# Altium PCB Industrial-Controller.PcbDoc (part 1 of 2)
Units mm, origin at the board's own origin, x right, y up, seen from the top; angles counter-clockwise.
Board outline 98 x 81 mm, 4 copper layers (Top Layer, Layer 4 (GND), Layer 5 (PWR), Bottom Layer), stack 1.49 mm thick; 132 components, 83 nets, 380 pads, 159 vias.
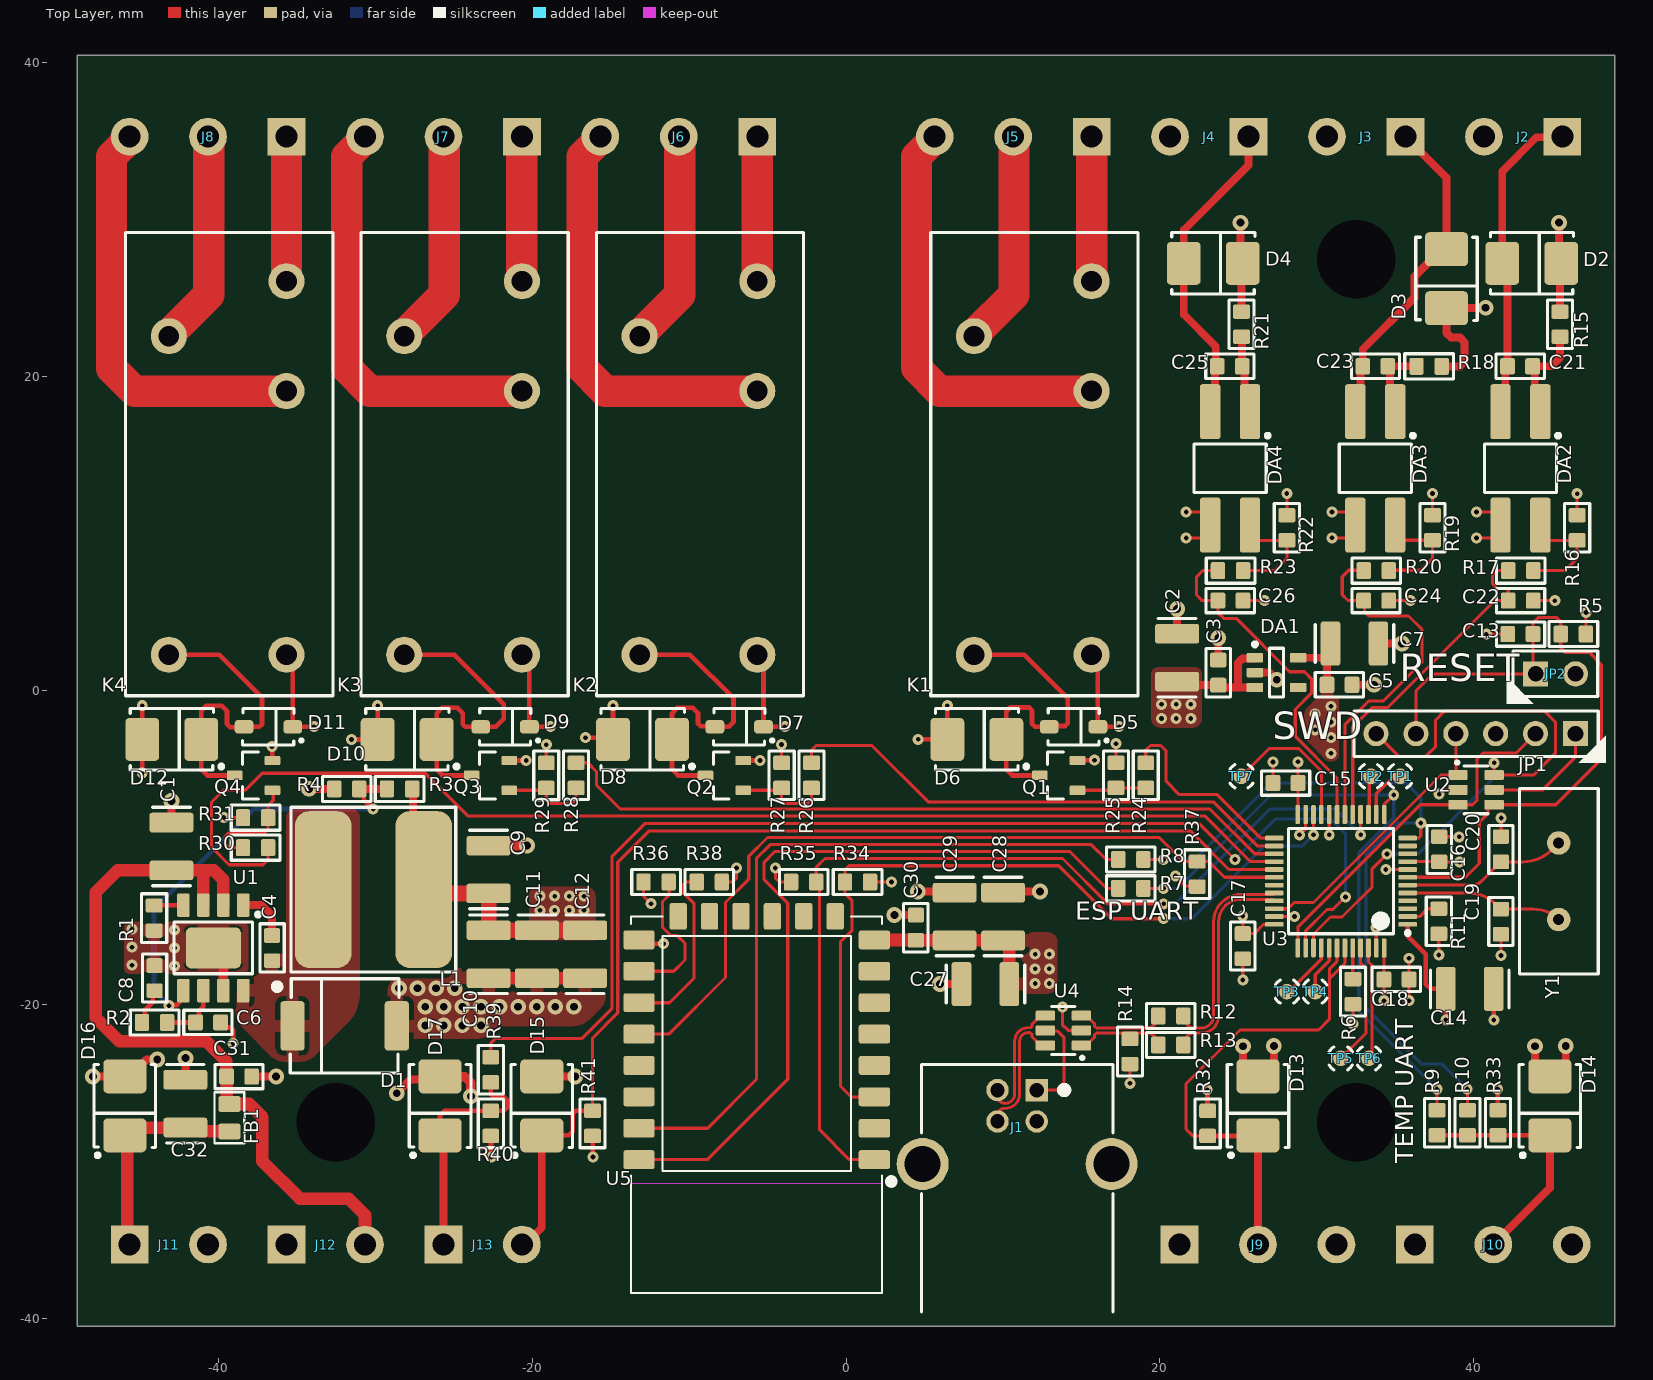
[diagram p0: Top Layer view]
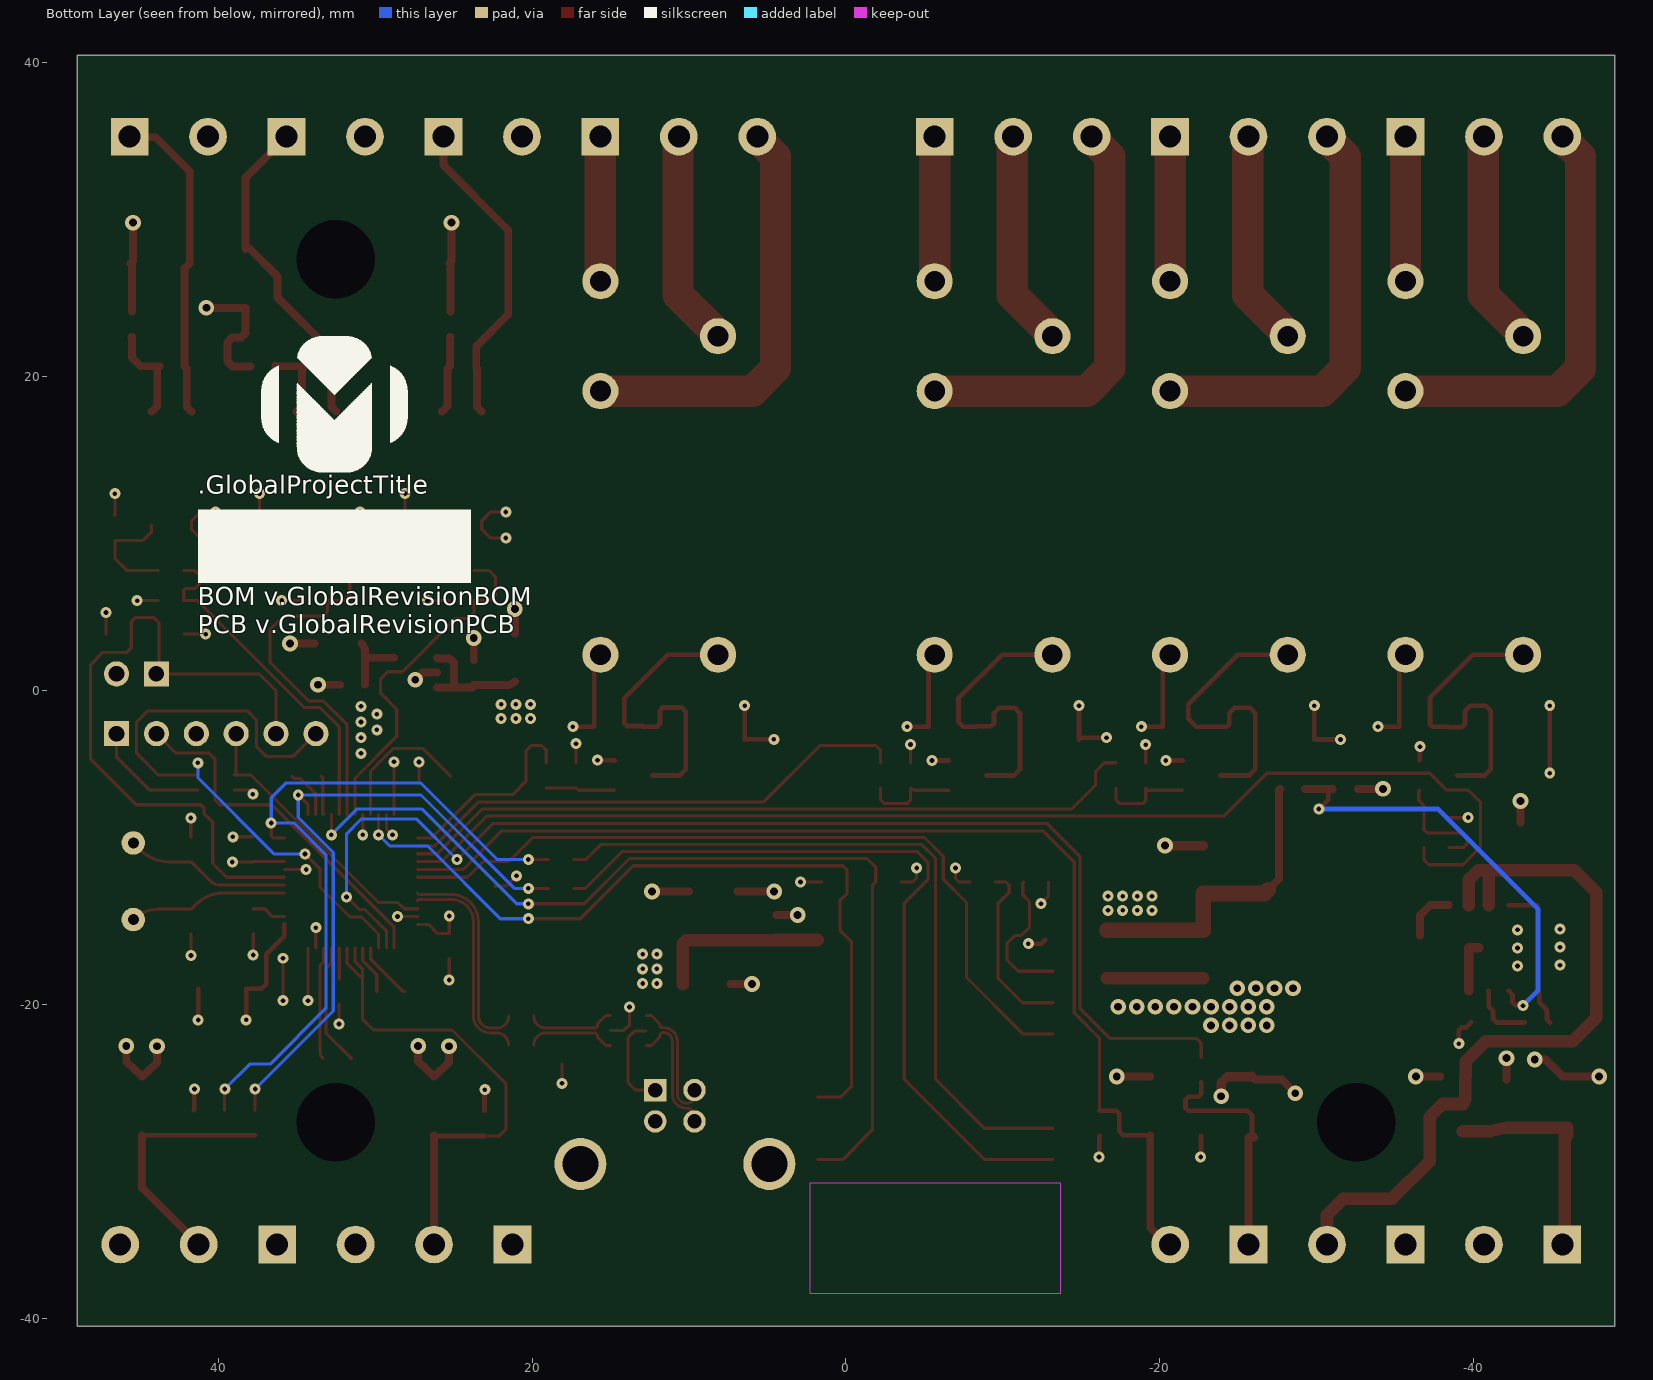
[diagram p1: Bottom Layer view, seen from below]
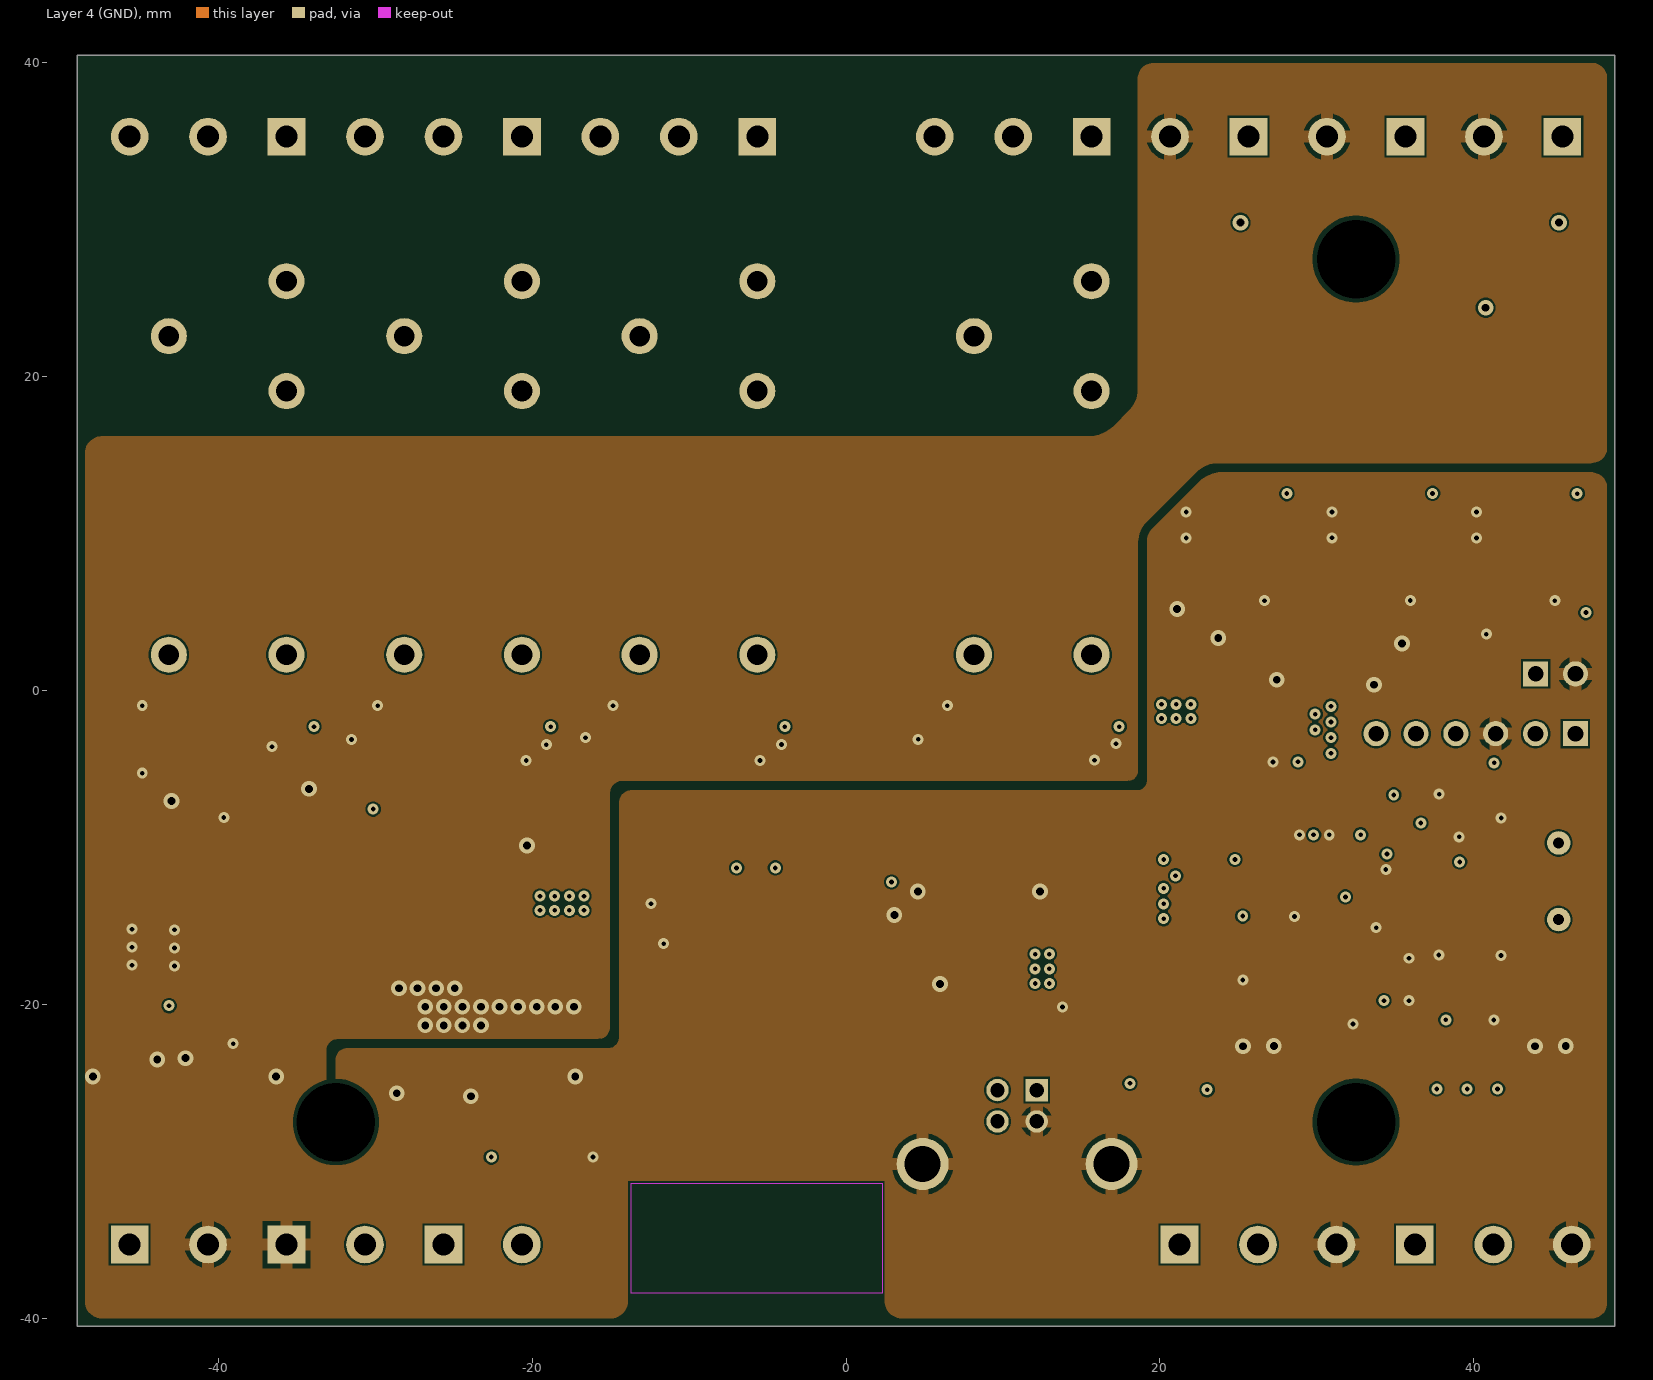
[diagram p2: Layer 4 (GND)]
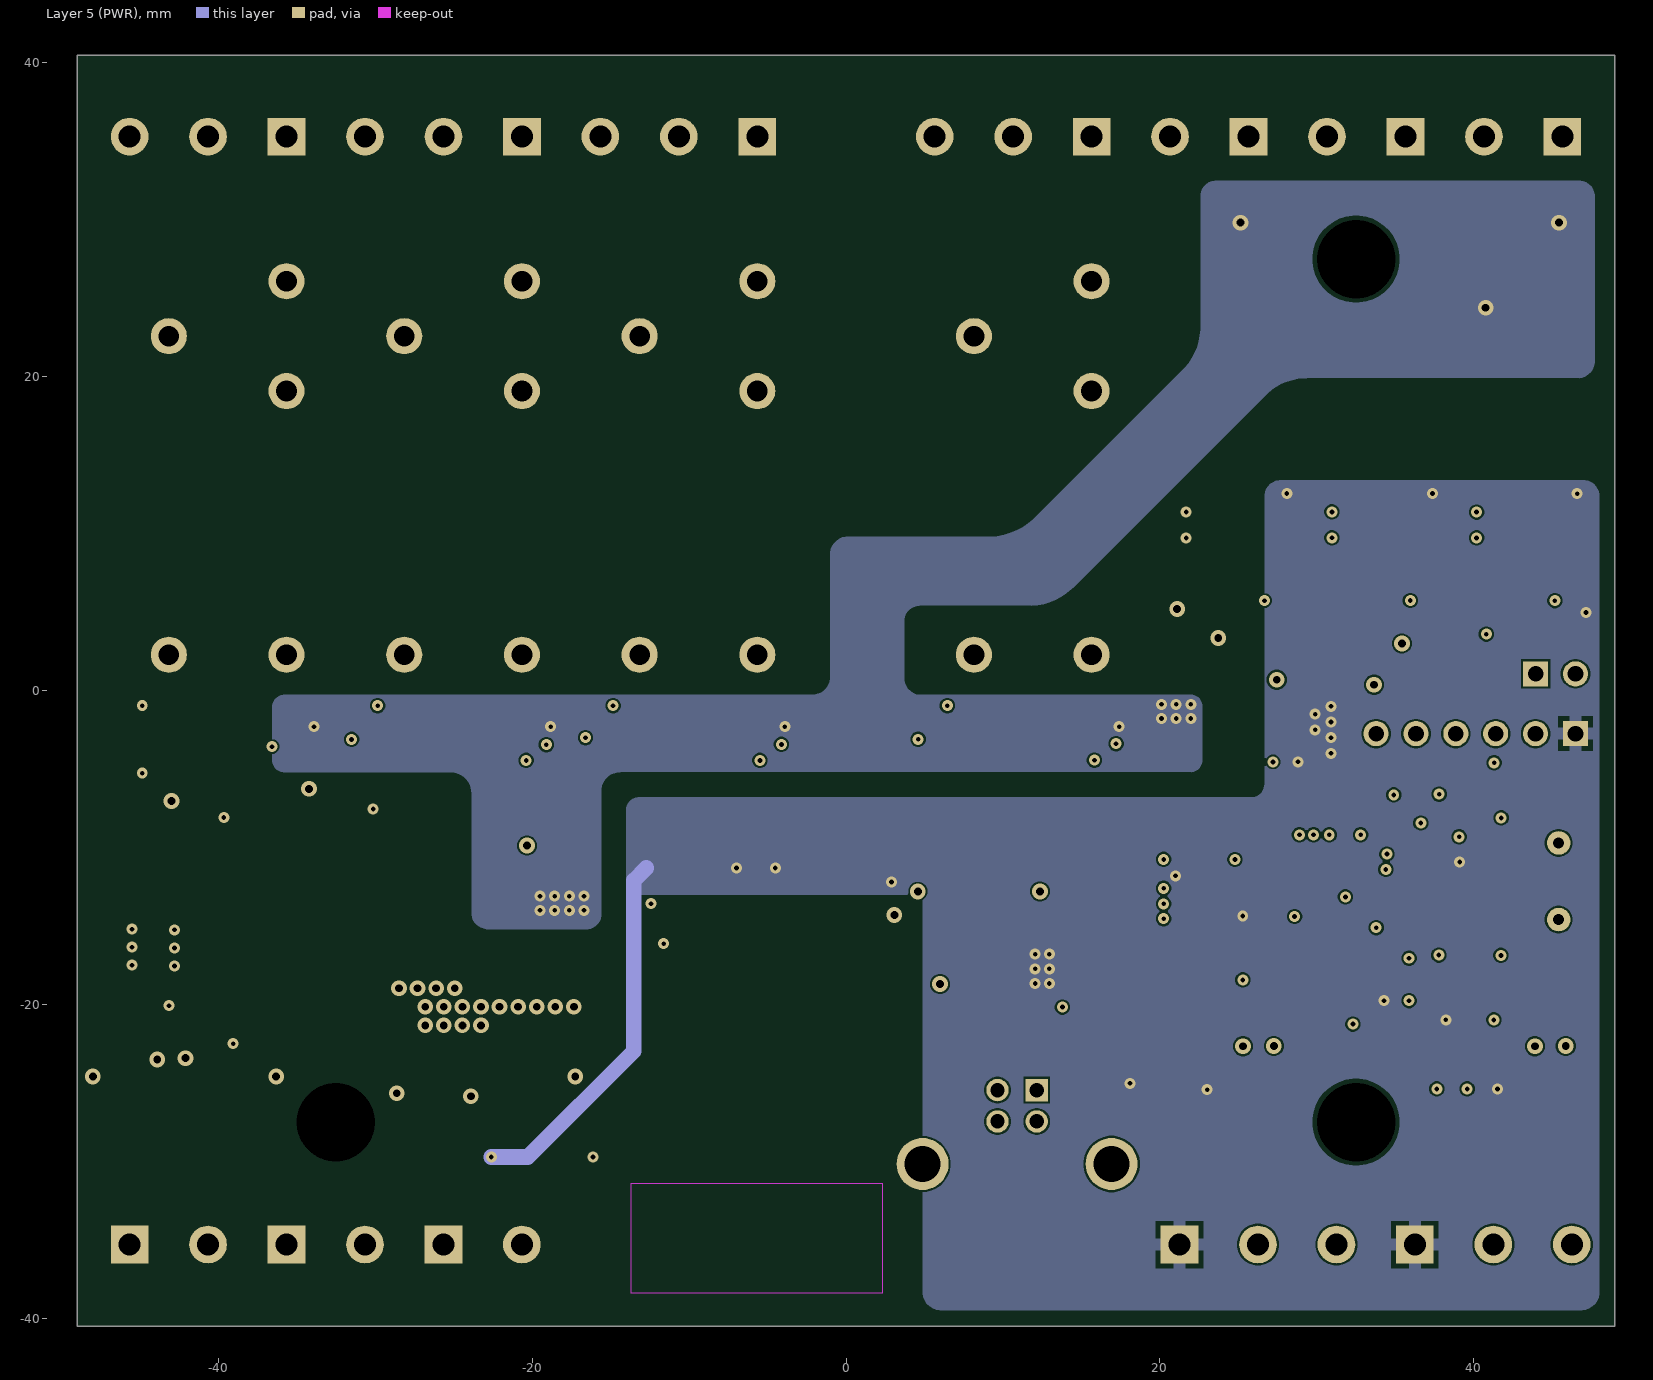
[diagram p3: Layer 5 (PWR)]
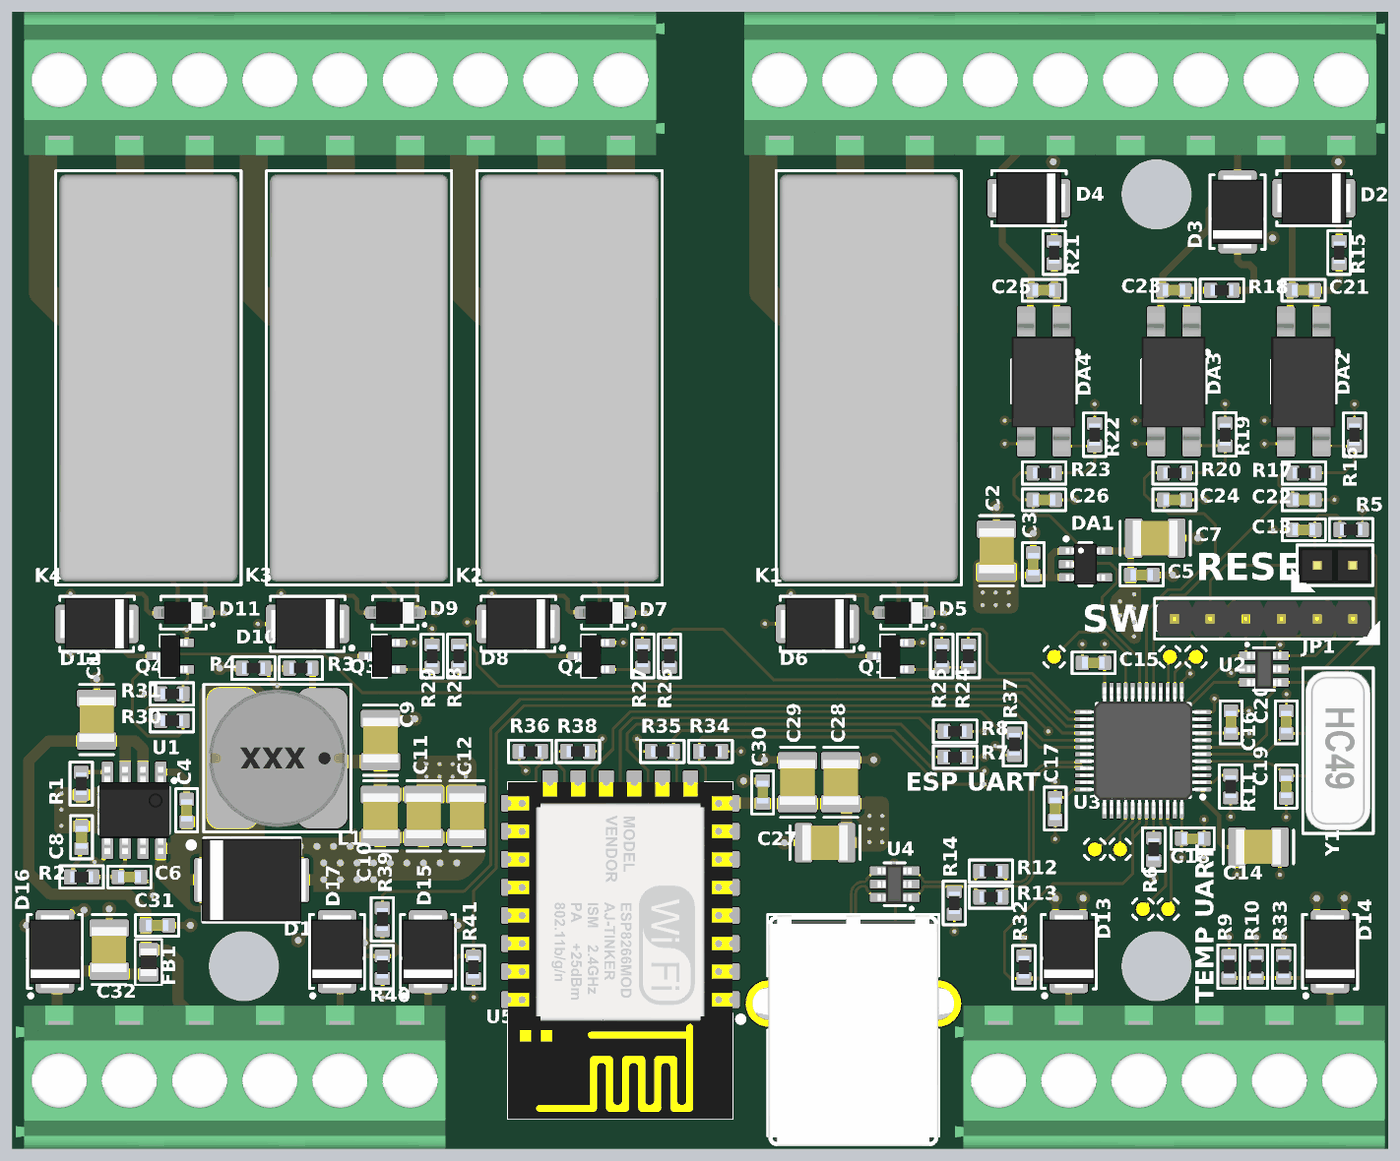
[diagram p5: 3D render of the assembled board from above, using the file's embedded part models]

## Layer stack, top to bottom
Top Solder: solder mask 0.0127, Dk 4
Top Layer: signal copper 0.018
Prepreg 1: prepreg 0.127, Dk 4.2
Layer 4 (GND): signal copper 0.018
Core 2: core 1.164, Dk 4.2
Layer 5 (PWR): signal copper 0.018
Prepreg 4: prepreg 0.127, Dk 4.2
Bottom Layer: signal copper 0.018
Bottom Solder: solder mask 0.0127, Dk 4

## Board outline
-49,-40.5 -49,40.5 49,40.5 49,-40.5

## Design rules (kind name [scope] priority, off if disabled: settings)
BoardOutlineClearance [All] p1: gap=0.508 ignorepadtopadclearanceinfootprint=FALSE
Clearance Clearance_CHASSIS [InNet('CHASSIS')] p1: gap=0.508 ignorepadtopadclearanceinfootprint=FALSE // ETH chassis to other
Clearance Clearance_TP [HasFootprint('TEST_POINT_TH')] p2: gap=0.508 ignorepadtopadclearanceinfootprint=FALSE // Test point for programming
Clearance Clearance_ETH_VDDA [InNamedPolygon('ETH_VDDA') vs InNamedPolygon('SOLID_3V3_LAYER5')] p3: gap=0.127 ignorepadtopadclearanceinfootprint=FALSE except(0.508: Fill-Fill Fill-Poly Fill-Region Poly-Poly Poly-Region Region-Region) // ETH_VDDA clearance to 3V3 polygon
Clearance Clearance_VCC_PLANE [InNamedPolygon('SOLID_3V3_LAYER5')] p4: gap=0.178 ignorepadtopadclearanceinfootprint=FALSE // Clearance between 3V3 VCC plane and vias
Clearance Clearance_Signal_Via [IsLinkedToPadViaTemplate('signal_via')] p5: gap=0.127 ignorepadtopadclearanceinfootprint=FALSE except(0.178: Via-Fill Via-Poly Via-Region) // 50 Ohm via, clearance to GND plane and to other polygons
Clearance Clearance_3W [OnLayer('Layer 3 (SIG)')] p6: gap=0.127 ignorepadtopadclearanceinfootprint=FALSE except(0.254: Arc-Arc Arc-Track Arc-SMDPad Arc-THPad Arc-Via Arc-Fill Arc-Poly Arc-Region Arc-Text Arc-Hole Track-Track Track-SMDPad Track-THPad Track-Via Track-Fill Track-Poly Track-Region Track-Text Track-Hole) // 3W rule for high-speed nets; applicable for 5mil tracks
Clearance [All] p7: gap=0.127 ignorepadtopadclearanceinfootprint=FALSE except(0.26: Arc-Hole Track-Hole SMDPad-Hole THPad-Hole Via-Hole Fill-Hole Poly-Hole Region-Hole Text-Hole) // Track-Track 7 mil for MCU
ComponentClearance ComponentClearance_TERMINALS [HasFootprint('DG128-5.0-03P-14') or HasFootprint('DG128-5.0-02P-14')] p1: gap=0 collisioncheckmode=3 verticalgap=0 showdistances=FALSE
ComponentClearance [All] p2: gap=0.508 collisioncheckmode=3 verticalgap=1.016 showdistances=FALSE donotcheckwithout3dbody=TRUE
DiffPairsRouting DiffPairsRouting_RS485 [InDifferentialPairClass('RS485_DIFFPAIR')] p1: maxlimit=0.305 minlimit=0.305 mostfreqgap=0.305 toplayer_minwidth=0.178 toplayer_maxwidth=0.178 toplayer_prefwidth=0.178 midlayer3_minwidth=0.178 midlayer3_maxwidth=0.178 midlayer3_prefwidth=0.178 midlayer4_minwidth=0.178 midlayer4_maxwidth=0.178 midlayer4_prefwidth=0.178 bottomlayer_minwidth=0.178 bottomlayer_maxwidth=0.178 bottomlayer_prefwidth=0.178 maxuncoupledlength=12.7 // 120 Ohm differential impedance
DiffPairsRouting DiffPairsRouting_USB [InDifferentialPairClass('USB_DIFFPAIR')] p2: maxlimit=0.127 minlimit=0.1 mostfreqgap=0.127 toplayer_mingap=0.127 toplayer_minwidth=0.19 toplayer_maxwidth=0.19 toplayer_prefwidth=0.19 bottomlayer_mingap=0.127 bottomlayer_minwidth=0.19 bottomlayer_maxwidth=0.19 bottomlayer_prefwidth=0.19 impedanceprofiledriven=TRUE impedanceprofileid={13F299FD-EDF9-4D52-ACC5-885CEE12CEAA} impedanceprofilevalue=90.000000 maxuncoupledlength=1.016 // 90 Ohm differential impedance
DiffPairsRouting DiffPairsRouting_MDI [InDifferentialPairClass('MDI_DIFFPAIR')] p3: maxlimit=0.127 minlimit=0.127 mostfreqgap=0.127 toplayer_minwidth=0.203 toplayer_maxwidth=0.203 toplayer_prefwidth=0.203 midlayer3_minwidth=0.203 midlayer3_maxwidth=0.203 midlayer3_prefwidth=0.203 midlayer4_minwidth=0.203 midlayer4_maxwidth=0.203 midlayer4_prefwidth=0.203 bottomlayer_minwidth=0.203 bottomlayer_maxwidth=0.203 bottomlayer_prefwidth=0.203 maxuncoupledlength=1.016 // 100 Ohm differential impedance
HoleSize [All] p1: absolutevalues=TRUE maxlimit=6.35 minlimit=0.254 maxpercent=80.000 minpercent=20.000
HoleToHoleClearance [All] p1: gap=0.381 allowstackedmicrovias=TRUE
MatchedLengths MatchLengths_xSignals_LCD [InxSignalClass('xSignals_LCD')] p1: tolerance=1.016 checknetsindiffpair=FALSE checkdiffpairvsdiffpair=TRUE checkxsignals=TRUE checkothers=TRUE usedelayunits=TRUE delaytolerance=100.000000 targetsourcename=LCD_CLK-LCD_CLK_MCU_PP1
MatchedLengths MatchLengths_xSignals_ETH [InxSignalClass('xSignals_ETH')] p2: tolerance=1.016 checknetsindiffpair=FALSE checkdiffpairvsdiffpair=TRUE checkxsignals=TRUE checkothers=TRUE usedelayunits=TRUE delaytolerance=100.000000 targetsourcename=ETH_CLK-ETH_RMII_CLK_PP1
MatchedLengths MatchLengths_xSignals_FMC [InxSignalClass('xSignals_FMC')] p3: tolerance=1.016 checknetsindiffpair=FALSE checkdiffpairvsdiffpair=TRUE checkxsignals=TRUE checkothers=TRUE usedelayunits=TRUE delaytolerance=100.000000 targetsourcename=FMC_CLK-FMC_CLK_MCU_PP1
MatchedLengths MatchLengths_xSignals_SDC [InxSignalClass('xSignals_SDC')] p4: tolerance=1.016 checknetsindiffpair=FALSE checkdiffpairvsdiffpair=TRUE checkxsignals=TRUE checkothers=TRUE usedelayunits=TRUE delaytolerance=100.000000 targetsourcename=SDMMC1_SDCARD_CK-SDMMC1_SDCARD_CK_MCU_PP1
MatchedLengths MatchedLengths_Diff_Grouped_MDI [InDifferentialPairClass('MDI_DIFFPAIR')] p5: tolerance=1.016 checknetsindiffpair=FALSE checkdiffpairvsdiffpair=TRUE checkxsignals=TRUE checkothers=TRUE
MatchedLengths MatchedLengths_Diff_Within_MDI [InDifferentialPairClass('MDI_DIFFPAIR')] p6: tolerance=1.016 checknetsindiffpair=TRUE checkdiffpairvsdiffpair=FALSE checkxsignals=FALSE checkothers=FALSE
MatchedLengths MatchedLengths_Diff_Within_RS485 [InDifferentialPairClass('RS485_DIFFPAIR')] p7: tolerance=2.54 checknetsindiffpair=TRUE checkdiffpairvsdiffpair=FALSE checkxsignals=FALSE checkothers=FALSE
MatchedLengths MatchedLengths_Diff_Within_USB [InDifferentialPairClass('USB_DIFFPAIR')] p8: tolerance=1.016 checknetsindiffpair=TRUE checkdiffpairvsdiffpair=FALSE checkxsignals=FALSE checkothers=FALSE
MinimumAnnularRing [All] p1: minimumring=0.127
MinimumSolderMaskSliver [All] p1: minsoldermaskwidth=0.05
PlaneConnect [All] p1: planeconnectstyle=Direct reliefexpansion=0.508 reliefentries=4 reliefconductorwidth=0.254 reliefairgap=0.254
PolygonConnect PolygonConnect_POWER_IN_VIN [InNet('VIN+') Or InNet('VIN-') vs HasFootprint('1250360000') Or HasFootprint('1250370000')] p1: connectstyle=Relief reliefconductorwidth=1.27 reliefentries=4 polygonreliefangle="90 Angle" airgapwidth=0.127 // POWER IN terminal blocks to VIN
PolygonConnect PolygonConnect_POWER_TVS_VIN [InNet('VIN+') Or InNet('VIN-') vs HasFootprint('SMA-BIDIR')] p2: connectstyle=Relief reliefconductorwidth=1.27 reliefentries=4 polygonreliefangle="90 Angle" airgapwidth=0.127 // POWER IN TVS diode to VIN
PolygonConnect PolygonConnect_POWER_FUSE [HasFootprint('0ZRS0200FF1E')] p3: connectstyle=Relief reliefconductorwidth=1.27 reliefentries=4 polygonreliefangle="90 Angle" airgapwidth=0.127 // POWER IN fuse
PolygonConnect PolygonConnect_POWER_SWITCH [HasFootprint('48BFSP1M2QT')] p4: connectstyle=Relief reliefconductorwidth=1.016 reliefentries=4 polygonreliefangle="90 Angle" airgapwidth=0.127 // POWER switch
PolygonConnect PolygonConnect_POWER_FILTER [HasFootprint('BNX022-01L')] p5: connectstyle=Relief reliefconductorwidth=2.032 reliefentries=4 polygonreliefangle="90 Angle" airgapwidth=0.127 // POWER filter FL1